# Altium PCB Main - Backup.PcbDoc (part 4 of 4)
Units mil, origin at the board's own origin, x right, y up, seen from the top; angles counter-clockwise.
Board outline 3937.01 x 2362.21 mil, 2 copper layers (Top Layer, Bottom Layer); 313 components, 187 nets, 894 pads, 443 vias.
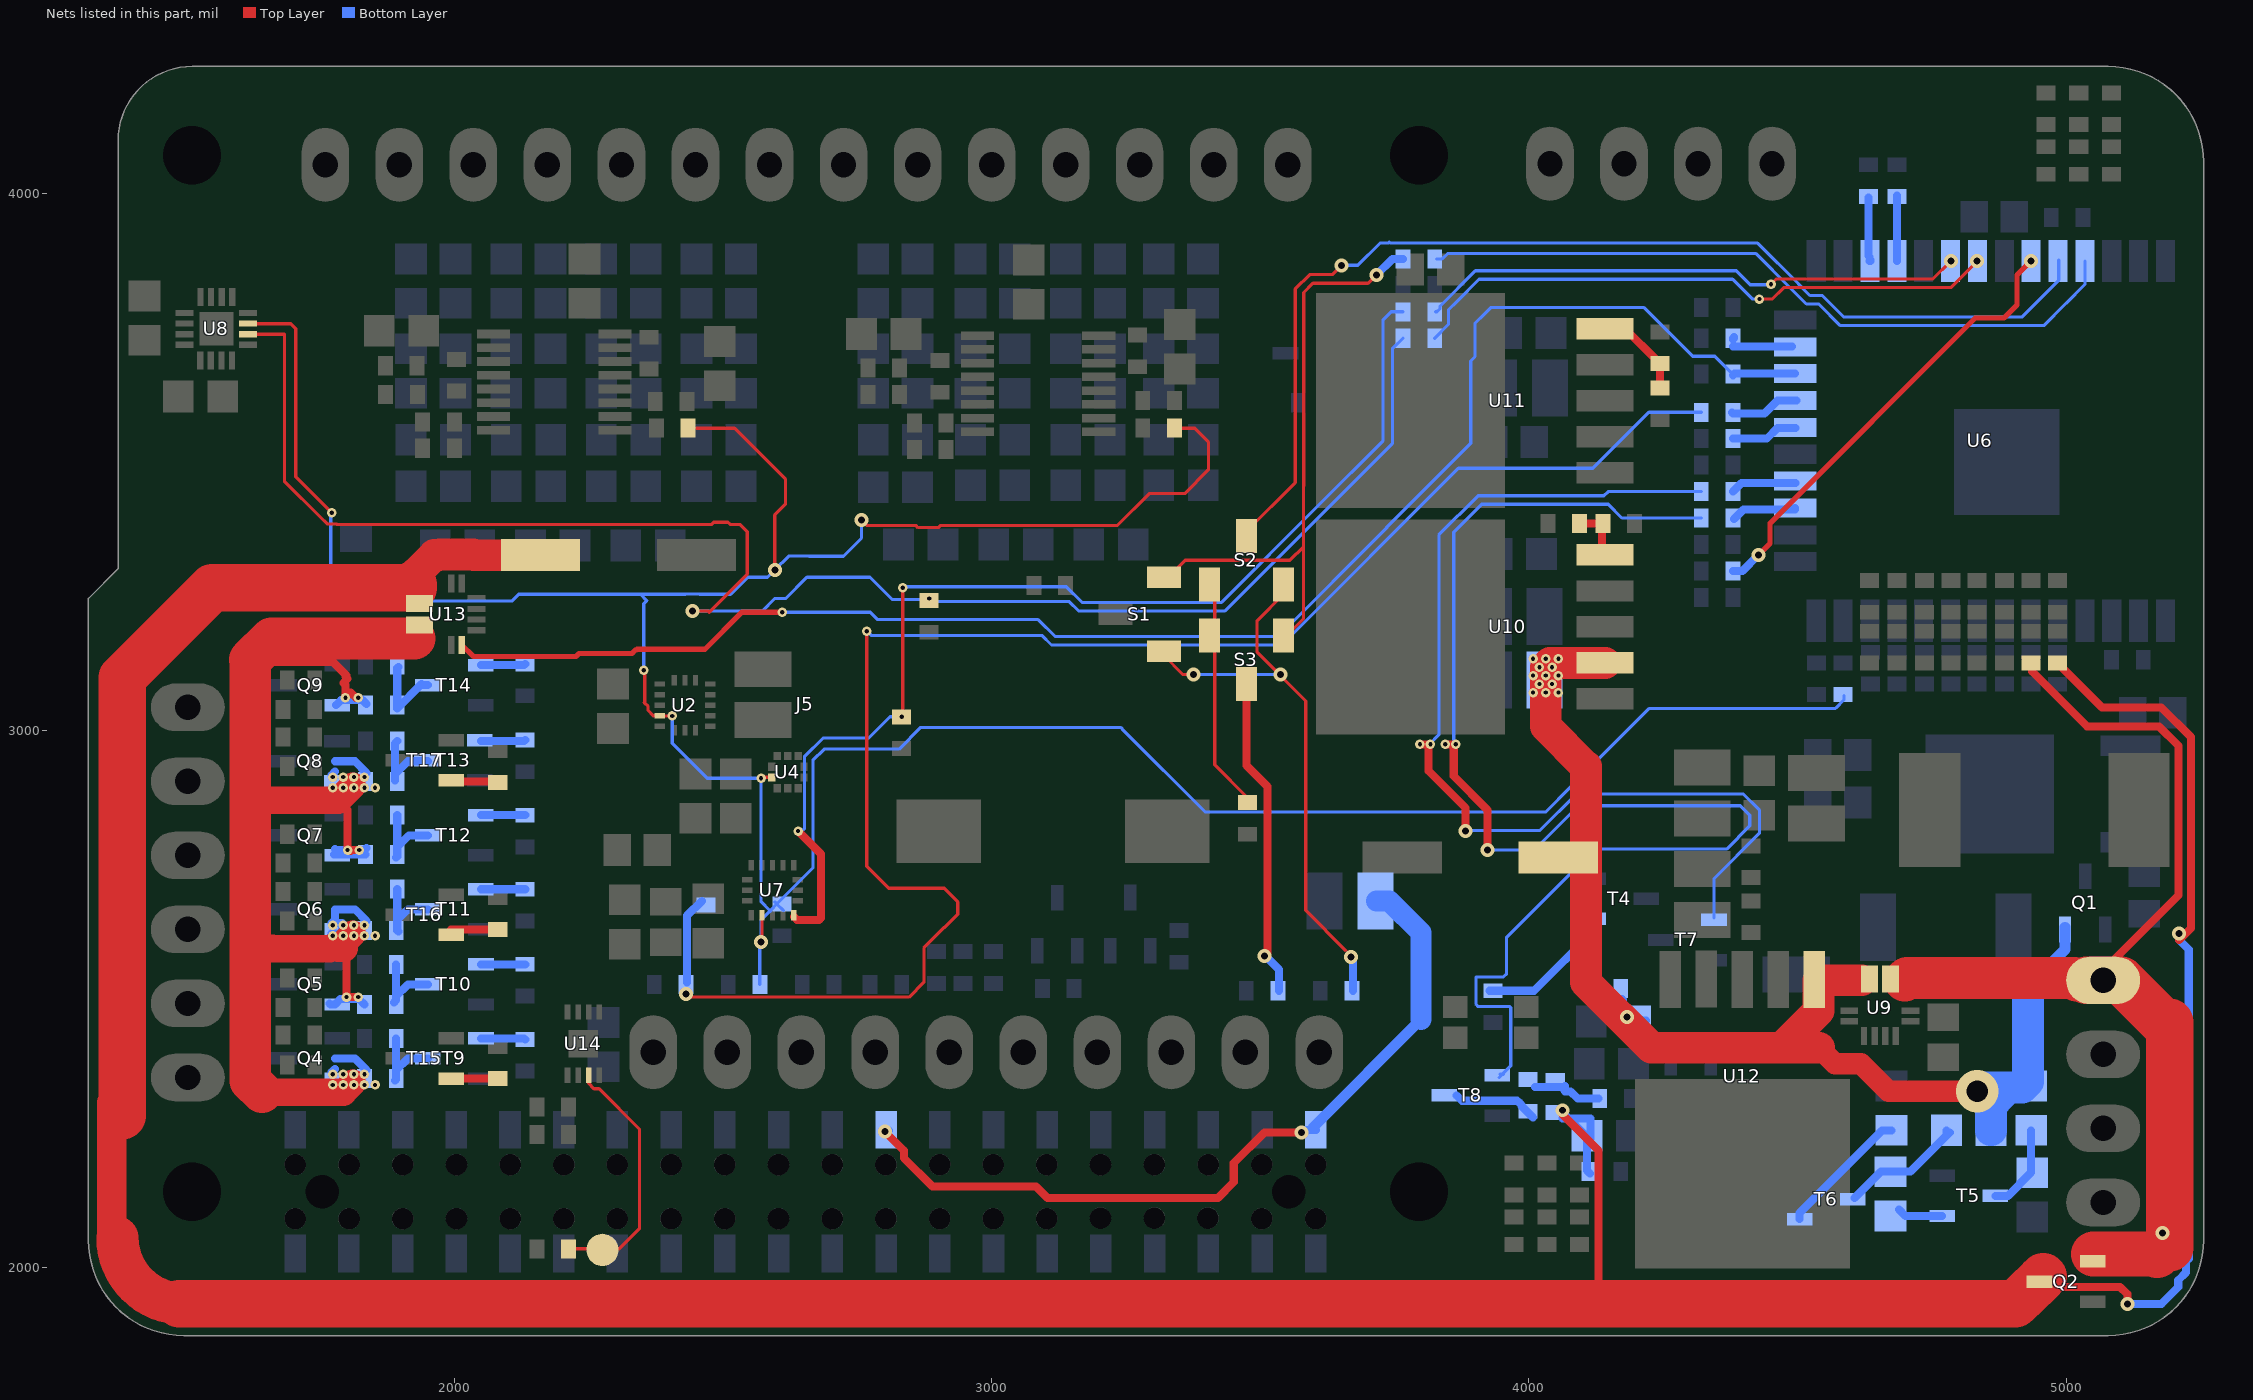
[diagram p4: the nets of this part, all layers, seen from the top]

## Via types
v1: diameter 17.72, hole 7.87, Top Layer to Bottom Layer, 295 vias
v2: diameter 26, hole 13, Top Layer to Bottom Layer, 147 vias
v3: diameter 78.74, hole 39.37, Top Layer to Bottom Layer, 1 vias

## Nets (pads, with @x,y where several pads share a name; then routed paths per layer and width w, separated by ;. In a path a pad name is that pad's centre, name@x,y a point inside that pad or via, vN(x,y) a via of type N, cw(c..) or ccw(c..) an arc to the next point about the centre after c; other vN are vias at no path point) (continued)
NetR66_2: R66.2 U6.23 | length 117
  Bottom Layer w15: R66.2@4379.92,3714.57 U6.23@4490.16,3714.57 ; R66.2@4379.92,3730.31 4379.92,3728.35 4381.89,3730.32 R66.2@4381.89,3732.28
NetR69_1: R69.1 R97.2 U7.5 | length 2157.5
  Top Layer w6: R97.2@2822.83,3035.44 v1(2832.68,3025.59) ; R97.2@2832.68,3029.54 2834.64,3031.5 v1(2834.64,3265.74)
  Top Layer w15: U7.5@2632.23,2653.54 2638.14,2647.64 2678.4,2647.64 2682.33,2651.57 2682.33,2770.42 v1(2639.76,2812.99)
  Bottom Layer w6: v1(2639.76,2812.99) 2639.76,2809.06 2641.73,2807.09 2651.57,2816.93 2651.57,2951.46 2686.33,2986.22 2771.53,2986.22 2810.91,3025.59 v1(2832.68,3025.59) ; v1@2832.68,3263.78 v1(2834.64,3265.74) 2832.68,3267.72 3139.27,3267.72 3168.29,3238.69 3428.05,3238.69 3608.52,3419.17 3728.35,3538.99 3728.35,3763.78 3744.09,3779.53 R69.1@3765.75,3779.53
NetR69_2: R69.2 U6.30 | length 1023
  Top Layer w6: v1@4450.3,3830.22 v1(4450.79,3830.71) 4460.63,3840.55 4751.97,3840.55 v2(4785.43,3874.02)
  Bottom Layer w6: R69.2@3826.77,3779.53 3828.74,3779.53 3834.65,3785.43 3834.65,3790.21 3900.61,3856.17 4385.95,3856.17 4412.15,3829.97 v1@4450.05,3829.97
  Bottom Layer w15: v1@4450.05,3829.97 v1(4450.79,3830.71)
NetR71_1: R71.1 R98.2 U8.2 | length 3150.7
  Top Layer w6: U8.2@1610.24,3737.64 1683.62,3737.64 1683.62,3464.02 1750.75,3396.89 1750.85,3396.89 1763.04,3384.71 1780.26,3384.71 1781.12,3383.86 2478.9,3383.86 2482.96,3387.92 2509.16,3387.92 2513.22,3383.86 2531.5,3383.86 2545.28,3370.08 2545.28,3291.34 2474.41,3220.47 2472.44,3222.44 v2(2442.91,3222.44)
  Bottom Layer w6: v2(2442.91,3222.44) 2545.83,3222.44 2545.96,3222.31 2572.71,3222.31 2596.33,3245.94 2616.81,3245.94 2656.31,3285.43 2773.62,3285.43 2814.96,3244.09 2884.36,3244.09 2888.3,3240.16 3144.38,3240.16 3161.72,3222.82 3434.62,3222.82 3615.09,3403.29 3746.06,3534.26 3746.06,3710.63 R71.1@3765.75,3730.31
  other v1: 2883.86,3246.06
NetR71_2: R71.2 U6.31 | length 1118.3
  Top Layer w6: v1@4427.17,3803.15 4452.64,3803.15 4474.16,3824.68 4785.31,3824.68 v2(4834.65,3874.02)
  Bottom Layer w6: R71.2@3824.8,3730.31 3850.52,3756.03 3850.52,3783.63 3866.39,3799.5 ; 3866.43,3799.5 3907.23,3840.3 4379.38,3840.3 4416.53,3803.15 v1(4429.13,3803.15)
NetR72_2: R72.2 T4.1 | length 265
  Bottom Layer w15: R72.2@3927.17,2515.75 4009.84,2515.75 4122.05,2627.95 T4.1@4122.05,2651.57
NetR75_1: R75.1 U6.35 | length 1338.6
  Bottom Layer w6: R75.1@3828.74,3877.95 3838.58,3877.95 3848.55,3887.92 4422.98,3887.92 4486.22,3824.68 4486.22,3824.45 4516.65,3794.02 4539.98,3794.02 4580.07,3753.94 4958.66,3753.94 4998.03,3793.31 ; 5000,3795.28 5035.04,3830.32 U6.35@5035.04,3874.02
NetR75_2: R75.2 S1.2 S3.1 | length 1157.9
  Top Layer w6: S1.2@3322.83,3279.53 3360.24,3316.93 3555.12,3316.93 3580.71,3342.52 ; S3.1@3541.34,3169.29 3580.71,3208.66 3580.71,3342.52 ; v2@3717.52,3847.44 3715.55,3847.44 3700.79,3832.68 3598.05,3832.68 3580.9,3815.53 3580.9,3455.15 3580.71,3454.96 3580.71,3342.52
  Bottom Layer w15: v2(3716.54,3848.43) 3746.06,3877.95 R75.2@3765.75,3877.95
NetR78_1: R78.1 U6.20 | length 124.3
  Bottom Layer w15: R78.1@4379.92,3543.31 4442.91,3543.31 4462.6,3562.99 U6.20@4496.06,3562.99
NetR79_1: R79.1 U6.21 | length 128.7
  Bottom Layer w15: R79.1@4377.95,3592.52 R79.1@4379.92,3590.55 ; R79.1@4381.89,3590.55 4438.98,3590.55 4462.6,3614.17 U6.21@4498.03,3614.17
NetR79_2: R79.2 R103.1 R158.1 | length 3176.2
  Top Layer w6: v2@2429.13,2511.81 v2(2431.1,2509.84) 2437.01,2503.94 2846.46,2503.94 2874.02,2531.5 2874.01,2595.52 2912.22,2633.73 2912.7,2633.73 2937.01,2658.04 2937.01,2681.1 2911.67,2706.44 2808.55,2706.44 2767.72,2747.28 v1(2767.72,3185.04)
  Bottom Layer w6: v1(2767.72,3185.04) 2775.59,3177.16 3082.68,3177.17 3093.69,3177.17 3111.54,3159.32 3540.04,3159.32 3868.91,3488.19 4119.28,3488.19 4223.61,3592.52 R79.2@4320.87,3592.52
  Bottom Layer w15: R158.1@2433.07,2531.5 2433.07,2655.51 R103.1@2460.63,2683.07
NetR87_1: R87.1 U6.33 | length 848.5
  Top Layer w9.84: v2(4427.17,3326.77) 4448.82,3348.43 4448.82,3385.83 4830.96,3767.96 4884.65,3767.96 4908.83,3792.14 4908.83,3847.8 v2(4935.04,3874.02)
  Bottom Layer w15: R87.1@4379.92,3297.24 4397.64,3297.24 v2(4427.17,3326.77)
NetR89_1: R89.1 R90.2 T5.3 | length 163.4
  Bottom Layer w15: T5.3@4868.31,2133.86 4891.73,2133.86 4935.04,2177.17 R90.2@4935.04,2255.91
NetR91_1: R91.1 R92.1 T6.3 | length 237.6
  Bottom Layer w15: T6.3@4606.3,2129.92 4655.51,2179.13 R92.1@4673.23,2179.13 4710.63,2179.13 R91.1@4777.56,2246.06 ; R91.1@4777.56,2255.91 R91.1@4777.56,2246.06 ; R91.1@4783.46,2251.97 R91.1@4777.56,2246.06
NetR92_2: R92.2 T5.1 | length 85.4
  Bottom Layer w15: R92.2@4688.98,2108.27 4700.79,2096.46 T5.1@4769.49,2096.46
NetR93_2: R93.2 T6.1 | length 246.7
  Bottom Layer w15: T6.1@4503.94,2090.55 4503.94,2102.36 4657.48,2255.91 R93.2@4675.2,2255.91
NetR94_1: R94.1 S2.1 S3.2 | length 403
  Top Layer w6: S2.1@3413.39,3251.97 3415.35,3250 3415.35,2936.07 R94.1@3476.38,2875.05
NetR113_1: R113.1 R118.1 R119.2 | length 132.2
  Bottom Layer w15: 4011.81,2336.61 4064.96,2336.61 4066.93,2338.58 ; R113.1@4062.99,2334.65 4066.93,2330.71 4066.93,2328.74 4067.18,2328.49 4077.56,2328.49 4091.09,2314.96 R118.1@4129.92,2314.96
NetR117_1: R117.1 T7.1 | length 1964.6
  Top Layer w15: v1(3797.24,2974.41) 3812.99,2974.41 3812.99,2925.2 3881.89,2856.3 v2@3881.89,2814.96
  Bottom Layer w6: v1(3797.24,2974.41) 3815.08,2974.41 3832.68,2992.01 3832.68,3364.17 3905.51,3437.01 4139.76,3437.01 4147.64,3444.88 R117.1@4320.87,3444.88 ; v2@3880.91,2813.98 4020.38,2813.98 4088.29,2881.89 4399.61,2881.89 4429.13,2852.36 4429.13,2809.06 4344.69,2724.61 T7.1@4344.69,2651.57
  other v1: 3816.93,2974.41
  other v2: 3881.89,2812.99
NetR117_2: R117.2 U6.18 | length 122.7
  Bottom Layer w15: R117.2@4379.92,3444.88 4395.67,3460.63 U6.18@4496.06,3460.63
NetR119_1: R119.1 T8.3 | length 160.6
  Bottom Layer w15: T8.3@3865.75,2320.87 3875.59,2311.02 3978.08,2311.02 3981.77,2307.33 3982.3,2307.33 3986.17,2303.47 3986.17,2301.23 R119.1@4007.87,2279.53
NetR120_1: R120.1 U6.17 | length 123.9
  Bottom Layer w15: R120.1@4381.89,3393.7 4399.85,3411.67 4495.67,3411.67 U6.17@4495.67,3414.37
NetR120_2: R120.2 T8.1 | length 2618.9
  Top Layer w15: v1(3844.49,2974.41) v1@3856.3,2974.41 ; v1@3860.24,2974.41 3860.24,2915.35 3923.23,2852.36 v2(3923.23,2777.56)
  Bottom Layer w6: v1(3844.49,2974.41) 3846.46,2974.41 3860.24,2972.44 3860.24,3369.28 3912.09,3421.13 4147.76,3421.13 4173.23,3395.67 R120.2@4320.87,3395.67 ; v2(3923.23,2777.56) 4009.84,2777.56 4029.53,2797.24 4092.52,2860.24 4393.7,2860.24 4411.42,2842.52 4411.42,2822.83 4368.11,2779.53 4122.69,2779.53 3958.66,2615.5 3958.66,2547.24 3952.88,2541.46 3902.54,2541.46 3901.57,2540.5 3901.57,2490.99 3903.54,2489.02 3903.54,2488.19 3905.51,2486.22 3964.57,2486.22 3966.54,2484.25 3966.54,2375.98 T8.1@3950.79,2360.24 ; T8.1@3944.88,2354.33 T8.1@3950.79,2360.24 ; T8.1@3946.85,2360.24 T8.1@3950.79,2360.24 ; T8.1@3952.76,2360.24 T8.1@3950.79,2360.24
  other v1: 3864.17,2974.41
NetR121_1: R121.1 R122.2 U10.5 | length 105.6
  Top Layer w15: R121.1@4096.46,3385.83 4129.92,3385.83 R122.2@4133.86,3381.89 ; U10.5@4133.86,3322.83 4135.83,3324.8 R122.2@4135.83,3385.83 ; U10.5@4145.67,3318.9 U10.5@4147.64,3320.87
NetR123_1: R123.1 R124.2 U11.5 | length 176.8
  Top Layer w15: U11.5@4141.73,3748.03 U11.5@4143.7,3750 ; U11.5@4153.54,3744.09 U11.5@4155.51,3746.06 ; U11.5@4157.48,3746.06 U11.5@4171.26,3759.84 ; U11.5@4173.23,3748.03 U11.5@4177.17,3744.09 ; U11.5@4177.17,3751.97 4177.17,3750 4240.16,3687.01 R123.1@4240.16,3677.17 ; R124.2@4244.09,3637.8 R123.1@4244.08,3683.07
NetR127_1: R127.1 U6.22 U13.6 | length 2976.9
  Top Layer w9.84: U13.6@2013.78,3159.45 2035.43,3137.8 2226.38,3137.8 2232.28,3143.7 2330.61,3143.7 2336.76,3149.85 2338.73,3149.85 2340.32,3151.45 2466.41,3151.45 2535.43,3220.47 v1(2610.24,3220.47)
  Bottom Layer w6: v1(2610.24,3220.47) 2774.42,3220.47 2788.2,3206.69 3086.61,3206.69 3118.11,3175.2 3533.46,3175.2 3735.72,3377.45 3735.72,3378.62 3891.73,3534.64 3891.73,3687.99 3899.86,3696.12 3899.86,3758.13 3916.78,3775.05 3929.13,3787.4 4214.57,3787.4 4305.12,3696.85 4346.46,3696.85 R127.1@4379.92,3663.39
  Bottom Layer w15: R127.1@4379.92,3661.42 4382.87,3664.37 U6.22@4495.67,3664.37
NetR128_1: R128.1 R130.2 T9.3 | length 147.6
  Bottom Layer w15: R130.2@1889.76,2348.43 1891.73,2350.39 R128.1@1891.73,2427.17 ; R130.2@1891.73,2368.11 1913.39,2389.76 T9.3@1950.79,2389.76
NetR131_2: R131.2 T9.1 | length 83.1
  Bottom Layer w15: T9.1@2049.61,2427.17 2129.92,2427.17 R131.2@2131.89,2425.2
NetR132_1: R132.1 R133.2 T10.3 | length 140.5
  Bottom Layer w15: R133.2@1887.8,2494.09 1891.73,2498.03 R132.1@1891.73,2564.96 ; R133.2@1891.73,2505.91 1913.39,2527.56 T10.3@1950.79,2527.56
NetR134_2: R134.2 T10.1 | length 82.3
  Bottom Layer w15: T10.1@2049.61,2564.96 R134.2@2131.89,2564.96
NetR135_1: R135.1 R137.2 T11.3 | length 144.4
  Bottom Layer w15: R135.1@1893.7,2704.72 1893.7,2647.64 ; R137.2@1895.67,2625.98 1893.7,2627.95 1893.7,2647.64 ; T11.3@1950.39,2667.32 1913.39,2667.32 1893.7,2647.64
NetR138_2: R138.2 T11.1 | length 82.7
  Bottom Layer w15: T11.1@2049.21,2704.72 R138.2@2131.89,2704.72
NetR139_1: R139.1 R140.2 T12.3 | length 145.2
  Bottom Layer w15: R140.2@1891.73,2763.78 1893.7,2765.75 R140.2@1893.7,2783.46 ; R139.1@1893.7,2842.52 R140.2@1893.7,2783.46 ; T12.3@1950.39,2805.12 1915.35,2805.12 R140.2@1893.7,2783.46
NetR141_2: R141.2 T12.1 | length 82.7
  Bottom Layer w15: T12.1@2049.21,2842.52 R141.2@2131.89,2842.52
NetR142_1: R142.1 R144.2 T13.3 | length 142.1
  Bottom Layer w15: R144.2@1889.76,2907.48 1889.76,2976.38 R142.1@1893.7,2980.32 ; R144.2@1891.73,2921.26 1913.39,2942.91 T13.3@1950.39,2942.91
NetR145_2: R145.2 T13.1 | length 83.5
  Bottom Layer w15: T13.1@2049.21,2980.31 2129.92,2980.31 R145.2@2131.89,2982.28
NetR146_1: R146.1 R147.2 T14.3 | length 155
  Bottom Layer w15: R146.1@1895.67,3118.11 1893.7,3116.14 R147.2@1893.7,3047.24 1893.7,3041.34 1938.98,3086.61 1938.98,3084.65 T14.3@1950.39,3084.65
NetR148_2: R148.2 T14.1 | length 83.5
  Bottom Layer w15: T14.1@2049.21,3122.05 2129.92,3122.05 R148.2@2131.89,3124.02
NetR150_2: R150.2 T15.1 | length 87.9
  Top Layer w15: T15.1@1994.49,2352.36 2076.77,2352.36 R150.2@2080.71,2348.43
NetR152_2: R152.2 T16.1 | length 86.6
  Top Layer w15: T16.1@1994.09,2629.92 R152.2@2080.71,2629.92
NetR154_2: R154.2 T17.1 | length 86.8
  Top Layer w15: T17.1@1994.75,2905.51 2078.74,2905.51 R154.2@2080.71,2903.54
NetR159_1: R159.1 U6.28 | length 122
  Bottom Layer w15: U6.28@4685.04,3874.02 4685.04,3992.52 R159.1@4685.04,3996.06
NetR160_1: R160.1 U6.27 | length 117.4
  Bottom Layer w15: R160.1@4631.89,3992.52 4631.89,3883.86 U6.27@4633.86,3881.89 ; U6.27@4633.86,3874.02 U6.27@4635.04,3875.2 ; U6.27@4635.04,3874.02 U6.27@4635.04,3875.2 ; U6.27@4635.83,3874.02 4635.83,3875.98 U6.27@4635.04,3875.2
NetR161_1: R161.1 S1.1 S2.2 | length 1055.5
  Top Layer w6: S1.1@3320.87,3139.76 3356.3,3104.33 v2(3375.98,3104.33) ; S2.2@3543.31,3253.94 3494.09,3204.72 3494.09,3145.67 3584.65,3055.12 3584.65,2665.35 3659.45,2590.55
  Bottom Layer w6: v2@3374.02,3104.32 v2(3537.39,3104.32)
  Bottom Layer w15: v2@3665.35,2582.68 v2(3669.29,2578.74) 3672.83,2575.2 R161.1@3672.83,2515.75
NetR162_1: R162.1 S3.3 | length 604.8
  Top Layer w15: S3.3@3472.44,3090.55 3474.41,3088.58 S3.3@3474.41,3086.61 3474.41,2935.04 3513.78,2895.67 3513.78,2586.62 v2(3507.87,2580.7)
  Bottom Layer w15: v2@3509.84,2580.71 3535.04,2555.51 R162.1@3535.04,2515.75
NetR163_1: pad.3 R163.1 U14.7 | length 479.2
  Top Layer w6: R163.1@2214.57,2031.5 2218.5,2035.43 2307.09,2035.43 2344.49,2072.83 2344.49,2258.46 2269.46,2333.49 2259.81,2333.49 2250,2343.3 U14.7@2250,2358.46 U14.7@2250,2360.24
NetS2_3: S2.3 U6.34 | length 2100.4
  Top Layer w6: S2.3@3474.41,3340.55 3474.41,3344.49 3474.41,3371.11 3565.03,3461.73 3565.03,3818.96 ; 3564.96,3818.9 3565.03,3818.96 ; v2(3651.57,3866.14) 3634.35,3848.92 3591.84,3848.92 3565.03,3822.11 3565.03,3818.96
  Bottom Layer w6: v2(3651.57,3866.14) 3681.66,3866.14 3723.12,3907.61 3738.32,3907.61 3740.16,3909.45 3742,3907.61 4285.31,3907.61 4285.43,3907.48 4425.87,3907.48 4502.09,3831.26 4502.09,3831.02 4523.22,3809.9 4546.56,3809.9 4586.65,3769.81 4917.45,3769.81 4986.22,3838.58 U6.34@4986.22,3875.98
Pi_3.3V: J5.1 J5.17 JP1.1 | length 1496.4
  Top Layer w15: v2(2801.18,2253.94) 2836.61,2218.5 2836.61,2204.72 2889.76,2151.57 3082.68,2151.57 3104.33,2129.92 3421.26,2129.92 3450.79,2159.45 3450.79,2194.88 3507.87,2251.97 v2(3576.77,2251.97)
  Bottom Layer w15: v2(2801.18,2253.94) 2807.09,2253.94 J5.17@2809.06,2255.91 ; v2(3576.77,2251.97) 3581.54,2256.73 J5.1@3603.54,2256.73
  Bottom Layer w19.68: J5.1@3598.44,2261.83 3799.21,2462.6
  Bottom Layer w39.37: JP1.1@3716.54,2683.07 3740.16,2683.07 3799.34,2623.89 3799.34,2559.12 3799.21,2558.99 3799.21,2462.6
SCL: R1.1 R7.1 R65.1 R102.2 R157.1 U2.4 U4.2 U7.2 U8.3 | length 6358.8
  Top Layer w6: U8.3@1610.24,3757.32 1695.43,3757.32 1704.72,3748.03 1704.72,3472.44 v1(1771.65,3405.51) ; v1(2352.36,3112.2) 2354.33,3110.23 2354.33,3051.18 2353.35,3052.17 2360.5,3045.01 2360.5,3037.38 2370.32,3027.56 2380.91,3027.56 2381.11,3027.35 v1(2405.72,3027.35) ; 2450.79,3562.99 2521.65,3562.99 2616.14,3468.5 2616.14,3421.26 2596.46,3401.57 v2(2596.46,3299.21) ; v1(2570.87,2911.42) 2576.62,2911.42 2578.59,2913.39 2578.72,2913.26 U4.2@2584.65,2913.26 ; v2@2572.83,2606.29 U7.2@2572.83,2659.45 ; v2(2757.87,3391.73) 2767.72,3381.89 2858.82,3381.89 2862.89,3377.83 2900.89,3377.83 2904.96,3381.89 3207.25,3381.89 3207.37,3381.76 3234.13,3381.76 3293.56,3441.19 3359.45,3441.19 3403.54,3485.29 3403.54,3537.4 3377.95,3562.99 R7.1@3340.55,3562.99
  Bottom Layer w6: v1@1770.92,3404.78 1769.68,3403.54 1769.68,3248.03 1776.7,3241.02 2107.16,3241.02 2119.95,3253.81 2346.46,3253.81 ; v1@2352.36,3108.26 v1(2352.36,3112.2) 2352.36,3236.09 2358.27,3242 2346.46,3253.81 ; v1(2405.72,3027.35) 2405.72,2976.59 2405.51,2976.38 2470.47,2911.42 v1(2570.87,2911.42) 2570.87,2681.1 2586.61,2665.35 ; R157.1@2568.5,2527.56 v2@2568.5,2601.97 ; 2588.58,2663.39 2587.6,2664.37 ; R102.2@2596.46,2681.1 R102.2@2600.39,2677.17 ; R102.2@2612.2,2665.35 R102.2@2600.39,2677.17 ; v2(2757.87,3391.73) 2757.87,3358.27 2724.28,3324.68 2660.13,3324.68 2660,3324.8 2622.05,3324.8 v2(2596.46,3299.21) 2582.8,3285.56 2545.96,3285.56 2514.21,3253.81 2456.26,3253.81 2456.01,3254.06 2429.82,3254.06 2429.56,3253.81 2346.46,3253.81 ; R65.1@4586.61,3064.96 4586.61,3057.09 4572.34,3042.81 4572.14,3042.81 4570.54,3041.21 4512.77,3041.21 4512.65,3041.34 4224.41,3041.34 4077.48,2894.41 4031.5,2848.43 3397.64,2848.43 3246.06,3000 3240.16,3005.91 2868.11,3005.91 2827.88,2965.68 2688.24,2965.68 2667.45,2944.89 2667.45,2744.22 R102.2@2600.39,2677.17 ; v2@2565.94,2609.25 2570.87,2614.17 2570.87,2647.64 2587.6,2664.37 ; v2@2565.94,2609.25 2562.99,2606.3 v2@2568.5,2606.29 ; v2@2565.94,2609.25 2568.5,2606.69 v2@2568.5,2606.29 ; v2@2568.5,2601.97 v2@2568.5,2606.29 ; v2@2568.5,2601.97 2570.86,2604.33 v2(2570.86,2606.29) v2@2568.5,2606.29 ; 2586.61,2665.35 2587.6,2664.37 ; 2586.61,2665.35 2588.58,2665.35 ; 2587.6,2664.37 2588.58,2665.35 ; 2588.58,2665.35 R102.2@2600.39,2677.17
SQB_PWR-: Q4.2 Q5.2 Q6.2 Q7.2 Q8.2 Q9.2 R130.1 R133.1 R137.1 R140.1 R144.1 R147.1 U13.3 | length 2738.8
  Top Layer w15: 1636.07,3127.7 1773.87,3127.7 1799.21,3102.36 1797.24,3100.39 1801.18,3096.46 1793.31,3088.59 1797.24,3084.65 v1(1797.24,3061.02) v1@1801.17,3064.96 ; 1783.46,2870.08 1801.18,2852.36 v1@1801.18,2781.5 ; 1795.28,2594.49 1799.21,2590.55 v1(1799.21,2503.94) v1(1820.87,2503.94) ; v1(1801.18,2777.56) v1@1801.18,2781.5 ; v1@1801.18,3064.96 1807.09,3070.87 1816.93,3061.02 v1(1820.87,3061.02) ; v1(1822.83,2777.56) 1809.06,2777.56 1807.09,2775.59 v1@1801.18,2781.5
  Top Layer w49.21: 1783.46,2594.49 v1@1811.02,2622.05 ; 1783.46,2870.08 v1@1811.02,2897.64 ; 1793.31,2326.77 v1@1811.02,2344.49
  Top Layer w51.18: 1620.08,2870.08 1783.46,2870.08 ; 1641.73,2326.77 1661.16,2326.77 1661.28,2326.65 1793.18,2326.65 1793.31,2326.77 ; 1657.48,2594.49 1661.16,2594.49 1661.28,2594.36 1767.85,2594.36 1767.98,2594.49 ; 1783.46,2594.49 1795.28,2594.49
  Top Layer w76.77: 1620.08,3131.89 1620.08,2870.08 1620.08,2348.43 1641.73,2326.77
  Top Layer w78.74: 1620.08,3131.89 1659.45,3171.26 1925.2,3171.26
  Bottom Layer w15: Q5.2@1767.72,2492.13 1769.68,2490.16 1777.76,2490.16 1787.6,2500 1822.83,2500 R133.1@1832.68,2490.16 ; v1@1771.65,2364.17 1777.95,2370.47 ; Q6.2@1771.65,2622.05 1791.34,2622.05 1791.34,2641.73 1771.65,2641.73 1777.95,2648.03 1777.95,2667.32 1814.96,2667.32 R137.1@1836.61,2645.67 ; v1@1771.65,2917.32 1777.95,2923.62 ; Q7.2@1775.59,2769.68 R140.1@1834.65,2769.68 ; 1777.56,2389.76 1814.96,2389.76 R130.1@1836.61,2368.11 ; 1777.95,2779.53 1781.89,2775.59 1783.86,2777.56 v1(1801.18,2777.56) v1(1822.83,2777.56) 1828.74,2777.56 1830.71,2775.59 R140.1@1836.61,2781.5 ; 1777.95,2942.91 1814.96,2942.91 R144.1@1836.61,2921.26 ; Q9.2@1779.53,3047.24 1789.37,3057.09 1828.74,3057.09 R147.1@1836.61,3049.21
  other v1: 1773.62,2340.55 1793.31,2340.55 1812.99,2340.55 1832.68,2340.55 1852.36,2340.55 1773.62,2360.24 1793.31,2360.24 1812.99,2360.24 1832.68,2360.24 1773.62,2618.11 1793.31,2618.11 1812.99,2618.11 1832.68,2618.11 1852.36,2618.11 1773.62,2637.8 1793.31,2637.8 1812.99,2637.8 1832.68,2637.8 1773.62,2893.7 1793.31,2893.7 1812.99,2893.7 1832.68,2893.7 1852.36,2893.7 1773.62,2913.39 1793.31,2913.39 1812.99,2913.39 1832.68,2913.39
VBAT: J12.1 Q2.2 R82.2 R111.2 U9.1 | length 1970.5
  Top Layer w15: R82.2@4937.01,3125.98 4937.01,3110.24 5039.37,3007.87 5173.23,3007.87 5209.28,2971.82 5209.28,2693.54 5051.18,2535.43 5050.79,2535.04 J12.1@5035.45,2535.04
  Top Layer w78.74: 4699.85,2535.04 4704.3,2539.5 5015.25,2539.5 J12.1@5019.7,2535.04
  Top Layer w83.66: 5051.18,2025.59 5169.29,2025.59
  Top Layer w88.58: J12.1@5037.4,2535.43 5051.18,2535.43 5102.36,2535.43 5181.1,2456.69 ; 5169.29,2025.59 5181.1,2037.4 ; 5192.91,2037.4 5192.91,2456.69
  Bottom Layer w15: R111.2@5157.48,2021.65 5157.48,2045.28 5177.17,2064.96 v2(5179.13,2064.96)
VBAT_Switched: C47.2 C49.2 Q2.3 R73.2 R112.1 R113.2 U13.1 | length 7985.4
  Top Layer w15: v2(4062.98,2293.3) 4062.98,2285.44 4129.92,2218.5 4129.92,1933.07 ; 4923.23,1976.38 4950.88,1976.38 4962.69,1964.57 5100.48,1964.57 5114.17,1950.88 v2(5114.17,1933.07) ; R73.2@4984.25,3125.98 5066.93,3043.31 5177.17,3043.31 5232.28,2988.19 5232.28,2632.05 5210.62,2610.39 v2(5210.62,2622.04)
  Top Layer w55.12: 1362.2,2053.15 1362.2,2307.09
  Top Layer w59.06: 1901.57,3265.75 1962.6,3326.77 1971.53,3326.77 1972.64,3327.88 2035.23,3327.88 2036.72,3326.39 2161.5,3326.39 C47.2@2161.89,3326.77
  Top Layer w78.74: 1372.87,2055.99 ccw(c1495.79,2055.99) 1495.79,1933.07
  Top Layer w88.58: 1381.89,2283.46 1381.89,3098.43 1549.21,3265.75 1901.57,3265.75 1923.1,3265.75 1923.1,3271.65 ; 1488.19,1933.07 4129.92,1933.07 4905.51,1933.07 4949.75,1975.29 4950.88,1976.38 Q2.3@4957.9,1983.08
  Bottom Layer w15: R113.2@4062.99,2277.56 4074.8,2277.56 ; v2(4062.98,2293.3) 4062.98,2289.38 4074.8,2277.56 ; C49.2@4108.27,2246.06 C49.2@4108.27,2244.09 ; R112.1@4114.17,2175.2 4108.27,2181.1 C49.2@4108.27,2244.09 ; C49.2@4114.17,2238.19 C49.2@4108.27,2244.09 ; C49.2@4114.17,2240.16 4114.57,2240.55 4114.57,2277.56 4074.8,2277.56 ; v2(5114.17,1933.07) 5177.59,1933.07 5208.8,1964.28 5208.8,1976.87 5223.25,1991.32 5223.25,2011.76 5228.35,2016.86 5228.35,2592.52 5210.62,2610.25 v2(5210.62,2622.04) ; 4074.8,2277.56 C49.2@4108.27,2244.09
Vdigital: C48.2 C56.2 C60.2 Q1.2 R90.1 R91.2 R114.2 U9.3 U10.2 U12.1 | length 2391.7
  Top Layer w39.37: 4540.2,2409.45 4569.73,2379.92 4618.11,2379.92 4669.29,2328.74 v3(4834.65,2328.74)
  Top Layer w59.06: U10.2@4141.73,3125.98 4039.37,3125.98 4031.5,3118.11 v1(4031.5,3102.36) v1(4031.5,3070.87) 4031.5,3007.87 4106.3,2933.07 4106.3,2531.5 4228.35,2409.45 4468.5,2409.45 ; U12.1@4538.98,2535.43 U12.1@4539.37,2535.43 ; 4540.2,2409.45 4470.47,2409.45 4539.37,2478.35 U12.1@4539.37,2535.43 ; U9.3@4619.09,2535.43 U12.1@4539.37,2535.43
  Bottom Layer w15: 4173.23,2500 4174.8,2498.43 C48.2@4174.8,2446.46 ; C48.2@4174.8,2437.01 C48.2@4174.8,2446.46 ; C48.2@4218.5,2460.63 4188.98,2460.63 C48.2@4174.8,2446.46
  Bottom Layer w19.68: 4929.13,2523.62 4998.03,2592.52 Q1.2@4998.03,2629.72 Q1.2@4998.03,2633.86
  Bottom Layer w59.06: v3@4832.68,2328.74 4839.57,2335.63 4918.31,2335.63 4929.13,2346.46 4929.13,2523.62 ; R91.2@4860.24,2255.91 4860.24,2303.15 4883.86,2326.77 4883.86,2328.74
  other v1: 4007.87,3070.87 4055.12,3070.87 4019.68,3086.61 4043.31,3086.61 4007.87,3102.36 4055.12,3102.36 4019.68,3118.11 4043.31,3118.11 4007.87,3133.86 4031.5,3133.86 4055.12,3133.86
  other v2: 4183.07,2466.54
pads on no net: J5.41 U1.14 U2.2 U2.3 U2.9 U2.11 U3.14 U4.7 U6.32 U7.6 U7.7 U8.1 U8.4 U8.7 U8.9 U8.10 U8.14 U8.16 U8.17 U9.7 U14.9

## Polygon pours and split planes (outlines as drawn)
GND on Bottom Layer "Bottom Layer-No Net 1" (solid, remove dead copper, pour order 36): 1437.01,1889.76 1326.77,2000 1326.77,3228.35 1385.83,3287.4 1385.83,3289.37 1722.44,3289.37 1836.61,3403.54 1836.61,4190.94 5122.05,4190.94 5214.57,4098.43 5214.57,2019.68 5088.58,1893.7 5088.58,1891.73 5062.99,1891.73 5061.02,1889.76
GND on Bottom Layer "ADC_GND" (solid, remove dead copper, pour order 35): 1700.79,4185.04 1708.66,4185.04 3606.3,4185.04 3606.3,3964.57 3484.25,3842.52 3484.25,3452.76 3330.71,3299.21 1889.76,3299.21 1775.59,3413.39 1775.59,3870.08 1700.79,3944.88
Vdigital on Bottom Layer "Bottom Layer-Vdigital" (solid, pour order 32): 5043.31,2645.67 5043.31,2605.24 4959.54,2523.62 4913.39,2523.62 4899.61,2523.62 4899.61,2541.34 5003.94,2645.67 5035.43,2645.67
no net on Bottom Layer "Bottom Layer-No Net 3" (solid, pour order 38): 4612.2,3169.29
no net on Bottom Layer "Bottom Layer-No Net" (solid, remove dead copper, pour order 37): 1348.43,1946.85
GND on Top Layer "Top Layer-GND" (solid, remove dead copper, pour order 34): 1437.01,1889.76 1326.77,2000 1326.77,3228.35 1385.83,3287.4 1385.83,3289.37 1722.44,3289.37 1836.61,3403.54 1836.61,4190.94 5122.05,4190.94 5214.57,4098.43 5214.57,2019.68 5088.58,1893.7 5088.58,1891.73 5062.99,1891.73 5061.02,1889.76
VBAT_Switched on Top Layer "Top Layer-VBAT_Switched" (solid, pour order 31): 1332.68,2330.71 1435.04,2330.71 1435.04,2328.74 1462.6,2301.18 1627.95,2301.18 1757.87,2171.26 1740.16,2153.54 1740.16,1879.92 1458.66,1879.92 1448.82,1889.76 1435.04,1889.76 1425.2,1899.61 1404.53,1906.5 1399.61,1911.42 1358.27,1958.66 1347.44,1977.36 1332.68,2029.53
GND on Top Layer "ADC_GND" (solid, remove dead copper, pour order 33): 1700.79,4185.04 1724.41,4185.04 3606.3,4185.04 3606.3,3964.57 3484.25,3842.52 3484.25,3452.76 3330.71,3299.21 1889.76,3299.21 1775.59,3413.39 1775.59,3421.26 1775.59,3870.08 1744.09,3901.57 1700.79,3944.88
no net on Top Layer "Top Layer-No Net" (solid, pour order 44): 1344.49,1968.5

## Keep-outs
Keep-Out Layer:
  the board outline again, w10

## Other copper
Top Layer:
  pour cut-out: 3669.29,4070.87 ccw(c3795.27,4070.86) 3795.28,3944.88 ccw(c3795.28,4070.86) 3921.26,4070.86 ccw(c3795.28,4070.87) 3795.28,4196.85 ccw(c3795.27,4070.87)
  pour cut-out: 1385.83,2141.73 ccw(c1511.81,2141.73) 1511.81,2015.75 ccw(c1511.81,2141.73) 1637.79,2141.73 ccw(c1511.81,2141.73) 1511.81,2267.72 ccw(c1511.81,2141.73)
  pour cut-out: 4509.84,4212.6 4507.87,4210.63 4507.87,3870.08 4850.39,3870.08 4950.79,3970.47 4940.94,3980.31 4940.94,4208.66 4929.13,4208.66 4824.8,4216.54
  pour cut-out: 4860.24,3956.69
  region: 927 vertices and 0 holes, not listed, extent 4568.24,4034.02 4695.55,4188.89
  region: 1581 vertices and 0 holes, not listed, extent 4533.01,3995.31 4867.5,4101.69
  region: 449 vertices and 0 holes, not listed, extent 4868.55,4087.39 4923.66,4133.43
  region: 633 vertices and 0 holes, not listed, extent 4619.51,3964.96 4781.7,4022.16
  region: 1610.24,3125.98
  region: 1616.61,3737.87
  region: 2915.35,3492.13
  region net SQB_PWR-: 1763.78,2372.05 1830.71,2372.05 1866.14,2348.43 1866.14,2332.68 1767.72,2332.68 1763.78,2336.61
  region net SQB_PWR-: 1763.78,2925.2 1830.71,2925.2 1866.14,2901.57 1866.14,2885.83 1767.72,2885.83 1763.78,2889.76
  region net SQB_PWR-: 1765.75,2645.67 1832.68,2645.67 1868.11,2622.05 1868.11,2606.3 1769.68,2606.3 1765.75,2610.24
Bottom Layer:
  pour cut-out: 1385.83,2141.73 ccw(c1511.81,2141.73) 1511.81,2015.75 ccw(c1511.81,2141.73) 1637.79,2141.73 ccw(c1511.81,2141.73) 1511.81,2267.72 ccw(c1511.81,2141.73)
  pour cut-out: 3669.29,2141.73 ccw(c3795.27,2141.73) 3795.28,2015.75 ccw(c3795.28,2141.73) 3921.26,2141.73 ccw(c3795.28,2141.73) 3795.28,2267.72 ccw(c3795.27,2141.73)
  pour cut-out: 3669.29,4070.87 ccw(c3795.27,4070.86) 3795.28,3944.88 ccw(c3795.28,4070.86) 3921.26,4070.86 ccw(c3795.28,4070.87) 3795.28,4196.85 ccw(c3795.27,4070.87)
  pour cut-out: 1385.83,4070.87 ccw(c1511.81,4070.86) 1511.81,3944.88 ccw(c1511.81,4070.86) 1637.79,4070.86 ccw(c1511.81,4070.87) 1511.81,4196.85 ccw(c1511.81,4070.87)
  region net NetR69_1: 2824.8,3261.81
  region net 3.3V: 1679.13,3572.83
  region net NetJ2_1: 2015.75,3830.71
  region net SQB_PWR-: 1761.81,2389.76 1824.8,2389.76 1866.14,2348.43 1866.14,2332.68 1767.72,2332.68 1759.84,2340.55
  region net SQB_PWR-: 1761.81,2942.91 1824.8,2942.91 1866.14,2901.57 1866.14,2885.83 1767.72,2885.83 1759.84,2893.7
  region net SQB_PWR-: 1763.78,2663.39 1826.77,2663.39 1868.11,2622.05 1868.11,2610.24 1765.75,2610.24 1761.81,2614.17

## Silkscreen, mask and mechanical layers (free items; w line width, h text height)
Top Overlay:
  circle w5: c2275.59,2033.46 r40.58
  circle w10: c4854.33,2433.07 r3.94
  circle w10: c4854.33,2500 r3.94
  circle w10: c1500,3269.69 r39.37
  circle w10: c1500,3269.69 r3.94
  pour cut-out: 4248.03,3531.5 4248.03,3417.32 4421.26,3417.32 4421.26,3531.5
  lines w10: 1444.88,3403.54 cw(c1511.54,3342.06) 1559.05,3419.29 1519.7,3458.68 ; 1460.63,3230.31 1500,3190.94 cw(c1500,3269.69) 1460.63,3337.88 ; 1460.63,3525.59 1500,3564.96 1539.37,3525.59 ; 1500,3309.06 1500,3407.48 ; 1500,3454.72 1500,3553.15 ; 1539.37,3269.69 1637.8,3269.69 ; 1633.86,3324.8 cw(c1572.37,3258.15) 1649.61,3210.63 ; 1649.63,3210.62 1688.99,3249.99 ; 1685.04,3269.69 1783.46,3269.69 ; 1755.91,3230.32 1795.28,3269.69 1755.91,3309.06 ; 1775.59,2175.2 1775.59,2336.61 ; 1775.59,2360.24 1775.59,2557.09 ; 1775.59,2627.95 1775.59,2824.8 ; 1775.59,2915.35 1775.59,3112.2 ; 1816.93,3775.59 1816.93,3769.69 1816.93,3403.54 2194.88,3403.54 2360.24,3403.54 2539.37,3582.68 2539.37,3755.91 ; 1862.2,3836.61 1933.07,3836.61 ; 1877.95,3820.87 1917.32,3820.87 ; 1889.76,3805.12 1905.51,3805.12 ; 1897.64,3836.61 1897.64,3887.8 ; 1897.64,3846.46 1897.64,3877.95 ; 2334.65,2023.62 2370.08,1988.19 ; 2370.08,2220.47 2370.08,1988.19 ; 2405.51,2023.62 2370.08,1988.19 ; 2472.44,2078.74 2507.87,2043.31 ; 2507.87,2220.47 2507.87,2043.31 ; 2525.59,3391.73 2525.59,3567.67 2804.38,3567.67 ; 2543.31,2078.74 2507.87,2043.31 ; 2549.21,3281.5 2814.96,3281.5 2889.76,3356.3 2889.76,3462.6 ; 2610.24,1988.19 2645.67,2023.62 ; 2645.67,2220.47 2645.67,2023.62 ; 2681.1,1988.19 2645.67,2023.62 ; 2688.98,3836.61 2759.84,3836.61 ; 2704.72,3820.87 2744.09,3820.87 ; 2716.54,3566.93 2716.54,3755.91 ; 2716.54,3805.12 2732.28,3805.12 ; 2724.41,3836.61 2724.41,3887.8 ; 2724.41,3846.46 2724.41,3877.95 ; 2750,2076.77 2755.91,2070.87 ; 2783.46,2220.47 2783.46,2043.31 ; 2818.9,2078.74 2783.46,2043.31 ; 2887.8,3401.57 3096.46,3401.57 3265.75,3401.57 3409.45,3545.28 3409.45,3744.09 ; 2889.76,2059.06 2960.63,2059.06 ; 2905.51,2043.31 2944.88,2043.31 ; 2917.32,2027.56 2933.07,2027.56 ; 2925.2,2059.06 2925.2,2220.47 ; 3059.06,1974.41 3059.06,2220.47 ; 3161.42,2059.06 3232.28,2059.06 ; 3177.17,2043.31 3216.54,2043.31 ; 3188.98,2027.56 3204.72,2027.56 ; 3196.85,2059.06 3196.85,2220.47 ; 3334.65,2078.74 3334.65,2220.47 ; 3472.44,1988.19 3472.44,2051.18 3472.44,2220.47 ; 3515.75,3836.61 3586.61,3836.61 ; 3531.5,3820.87 3570.87,3820.87 ; 3543.31,3805.12 3559.05,3805.12 ; 3551.18,3836.61 3551.18,3887.8 ; 3606.3,1988.19 3606.3,2220.47 ; 3933.07,1984.25 3966.54,2017.72 ; 4033.46,1972.44 4033.46,2017.72 ; 4131.89,1984.25 4098.43,2017.72 ; 4141.73,3834.65 4212.6,3834.65 ; 4157.48,3818.9 4196.85,3818.9 ; 4169.29,3803.15 4185.04,3803.15 ; 4177.17,3834.65 4177.17,3885.83 ; 4824.8,2472.44 4858.27,2433.07 ccw(c4917.45,2433.21) 4917.45,2374.03 ; 4836.61,2836.61 4836.61,2856.3 ; 4858.14,2499.98 cw(c4917.32,2499.87) 4917.32,2559.06 ; 4864.17,2836.61 4864.17,2856.3 ; 4891.73,2836.61 4891.73,2856.3 ; 4917.32,2836.61 4917.32,2856.3 ; 4942.91,2836.61 4942.91,2856.3 ; 4968.5,2836.61 4968.5,2856.3 ; 4994.09,2836.61 4994.09,2856.3 ; 5017.72,2836.61 5017.72,2856.3 ; 1637.8,3269.69 1637.8,3269.69 ; 2755.91,2070.87 2755.91,2070.87 ; 2755.91,2070.87 2783.46,2043.31 ; 4098.43,2017.72 4098.43,2017.72
  text "ESP" at 5120.08,4169.29 h60 r270
  text "JLCJLCJLCJLC" at 2521.65,4155.51 h68.9
  text "PWR" at 4909.45,4003.94 h60 r270
  text "ACT" at 4994.09,4003.94 h60 r270
  text "ERR" at 5078.74,4003.94 h60 r270
  text "5V" at 1730.32,3887.8 h60 r270
  text "A0" at 2005.91,3887.8 h60 r270
  text "A1" at 2139.76,3887.8 h60 r270
  text "A2" at 2285.43,3887.8 h60 r270
  text "A3" at 2419.29,3887.8 h60 r270
  text "3V3" at 2557.09,3887.8 h60 r270
  text "A4" at 2832.68,3887.8 h60 r270
  text "A5" at 2966.54,3887.8 h60 r270
  text "A6" at 3112.2,3887.8 h60 r270
  text "A7" at 3246.06,3887.8 h60 r270
  text "5V" at 3383.86,3887.8 h60 r270
  text "3V3" at 3958.66,3826.77 h60
  text "RX" at 4403.54,3826.77 h60
  text "TX" at 4253.94,3816.93 h60
  text "LIN3V3" at 3978.35,3706.69 h78.74 r270
  text "MAG" at 1667.32,3675.2 h68.9
  text "BYU-Idaho Rocket Dynamics / Designed By Kace Chandler / github.com/byui-rocket-dynamics" at 4342.52,3586.61 h68.9
  text "Y+" at 1570.87,3553.15 h60 r270
  text "ADC1" at 3013.78,3454.72 h60
  text "ADC0" at 1877.95,3427.17 h60
  text "X+" at 1677.17,3403.54 h60 r270
  text "ESP" at 3354.33,3403.54 h60
  text "IP" at 4236.22,3309.06 h118.11
  text "PI" at 3045.28,3295.28 h60
  text "LIN 5V" at 3980.32,3283.46 h78.74 r270
  text "Z+" at 1346.46,3238.19 h60 r270
  text "ACC" at 2521.65,3159.45 h68.9
  text "TEAM" at 4236.22,3096.46 h98.43
  text "No." at 5019.69,3096.46 h98.43
  text "UART / Switches" at 2797.24,3078.74 h50
  text "MOTOR" at 1797.24,3021.65 h88.58
  text "V2.3" at 4283.46,2974.41 h78.74
  text "EXT" at 3374.02,2958.66 h60
  text "BAR" at 2671.26,2864.17 h68.9
  text "SEP" at 1797.24,2734.25 h88.58
  text "GYR" at 2580.71,2578.74 h68.9
  text "UART EXT" at 3425.2,2553.15 h60
  text "MAIN" at 1797.24,2466.54 h88.58
  text "BUCK 5V" at 4267.72,2364.17 h68.9
  text "POWER" at 4659.45,2342.52 h68.9 r270
  text "R64" at 2057.09,2322.83 h68.9 r270
  text "D1" at 1657.48,2309.06 h68.9
  text "T8" at 1933.07,2309.06 h68.9 r270
  text "PI ON" at 3854.33,2305.12 h68.9
  text "R8" at 1657.48,2259.84 h68.9
  text "PI" at 3982.28,2212.6 h60
  text "R63" at 1657.48,2210.63 h68.9
  text "+" at 4791.34,2185.04 h118.11
  text "D7" at 1657.48,2125.98 h68.9
  text "-" at 4787.4,2035.43 h118.11
  text "5V" at 3299.21,1996.06 h60
  text "SCK" at 2417.32,1956.69 h60
  text "MOSI" at 2688.98,1956.69 h60
  text "7-18V" at 4625.98,1927.17 h60
  text "PWR" at 3753.94,1907.48 h60
  text "ERR" at 4137.8,1907.48 h60
  text "RX" at 3423.23,1903.54 h60
  text "EEPROM  / Write Protect" at 1710.63,1901.57 h60
  text "3V3" at 2982.28,1895.67 h60
  text "TX" at 3547.24,1893.7 h60
  text "ACT" at 3940.94,1887.8 h60
  text "CS" at 2311.02,1881.89 h60
  text "MISO" at 2533.46,1881.89 h60
Bottom Overlay:
  drawing of 379 lines, arcs and shapes, not listed
  text "A0" at 2086.61,4149.61 h60
  text "A1" at 2214.57,4149.61 h60
  text "A2" at 2360.24,4149.61 h60
  text "A3" at 2500,4149.61 h60
  text "A4" at 2911.42,4149.61 h60
  text "A5" at 3049.21,4149.61 h60
  text "A6" at 3190.94,4149.61 h60
  text "A7" at 3320.87,4149.61 h60
  text "3.3V" at 1832.68,3848.43 h60
  text "5V" at 1578.74,3846.46 h60
  text "ADC1" at 3531.5,3314.96 h60
  text "ADC0" at 2688.98,3312.99 h60
  text "ADC" at 1594.49,3124.02 h60
  text "Q2" at 2240.16,3009.84 h68.9 r270
  text "R24" at 2311.02,3009.84 h68.9 r270
  text "R26" at 2375.98,3009.84 h68.9 r270
  text "T5" at 2440.94,3009.84 h68.9 r270
  text "R27" at 2507.87,3009.84 h68.9 r270
  text "R23" at 2171.26,2905.51 h68.9 r270
  text "Q1" at 2240.16,2881.89 h68.9 r270
  text "R21" at 2311.02,2881.89 h68.9 r270
  text "R22" at 2375.98,2881.89 h68.9 r270
  text "T4" at 2440.94,2881.89 h68.9 r270
  text "R25" at 2507.87,2881.89 h68.9 r270
  text "Connect Only If there is no 3.3V Regulator" at 3872.05,2746.06 h68.9
  text "PI 3.3V" at 3889.76,2627.95 h68.9
  text "3.3V" at 3574.8,2625.98 h68.9
  text "+" at 5165.35,2210.63 h90
  text "-" at 5175.2,2072.83 h90
  text "ESP / RST" at 2761.81,1881.89 h60 r270

## Text inside footprints (layer, text, board x,y; h text height)
C47: Top Overlay "+" at 2195.35,3289.37 h60 r180
C60: Top Overlay "+" at 4019.68,2801.18 h60
LS1: Top Overlay "BUZZER" at 2951.77,2659.45 h60
Q1: Bottom Overlay "P" at 5053.15,2651.57 h68.9
Q2: Top Overlay "P" at 5027.56,1956.69 h68.9 r90
Q3: Bottom Overlay "N" at 4283.46,2360.24 h68.9 r180
Q4: Bottom Overlay "P" at 1759.84,2407.48 h68.9 r90
Q5: Bottom Overlay "P" at 1759.84,2545.28 h68.9 r90
Q6: Bottom Overlay "P" at 1759.84,2685.04 h68.9 r90
Q7: Bottom Overlay "P" at 1759.84,2822.83 h68.9 r90
Q8: Bottom Overlay "P" at 1759.65,2960.63 h68.9 r90
Q9: Bottom Overlay "P" at 1759.84,3102.36 h68.9 r90
T1: Bottom Overlay "B" at 3138.78,2612.2 h68.9
T2: Bottom Overlay "B" at 3274.61,2612.4 h68.9
T3: Bottom Overlay "B" at 3624.02,3719.49 h68.9 r90
T4: Bottom Overlay "B" at 4141.73,2670.28 h68.9 r270
T5: Bottom Overlay "B" at 4791.34,2117.13 h68.9 r270
T6: Bottom Overlay "B" at 4525.79,2111.22 h68.9 r270
T7: Bottom Overlay "B" at 4322.83,2626.97 h68.9 r90
T8: Bottom Overlay "B" at 3919.29,2337.6 h68.9 r90
T9: Bottom Overlay "B" at 2027.76,2406.5 h68.9 r90
T10: Bottom Overlay "B" at 2027.76,2544.29 h68.9 r90
T11: Bottom Overlay "B" at 2027.36,2684.06 h68.9 r90
T12: Bottom Overlay "B" at 2027.36,2821.85 h68.9 r90
T13: Bottom Overlay "B" at 2025.59,2961.61 h68.9 r90
T14: Bottom Overlay "B" at 2027.36,3101.38 h68.9 r90
T15: Top Overlay "B" at 1972.64,2373.03 h68.9 r90
T16: Top Overlay "B" at 1972.44,2640.75 h68.9 r90
T17: Top Overlay "B" at 1972.64,2928.15 h68.9 r90
U6: Bottom Overlay "ESP32" at 5122.05,3358.27 h60 r270